# KiCad board SenseBarnacle.kicad_pcb
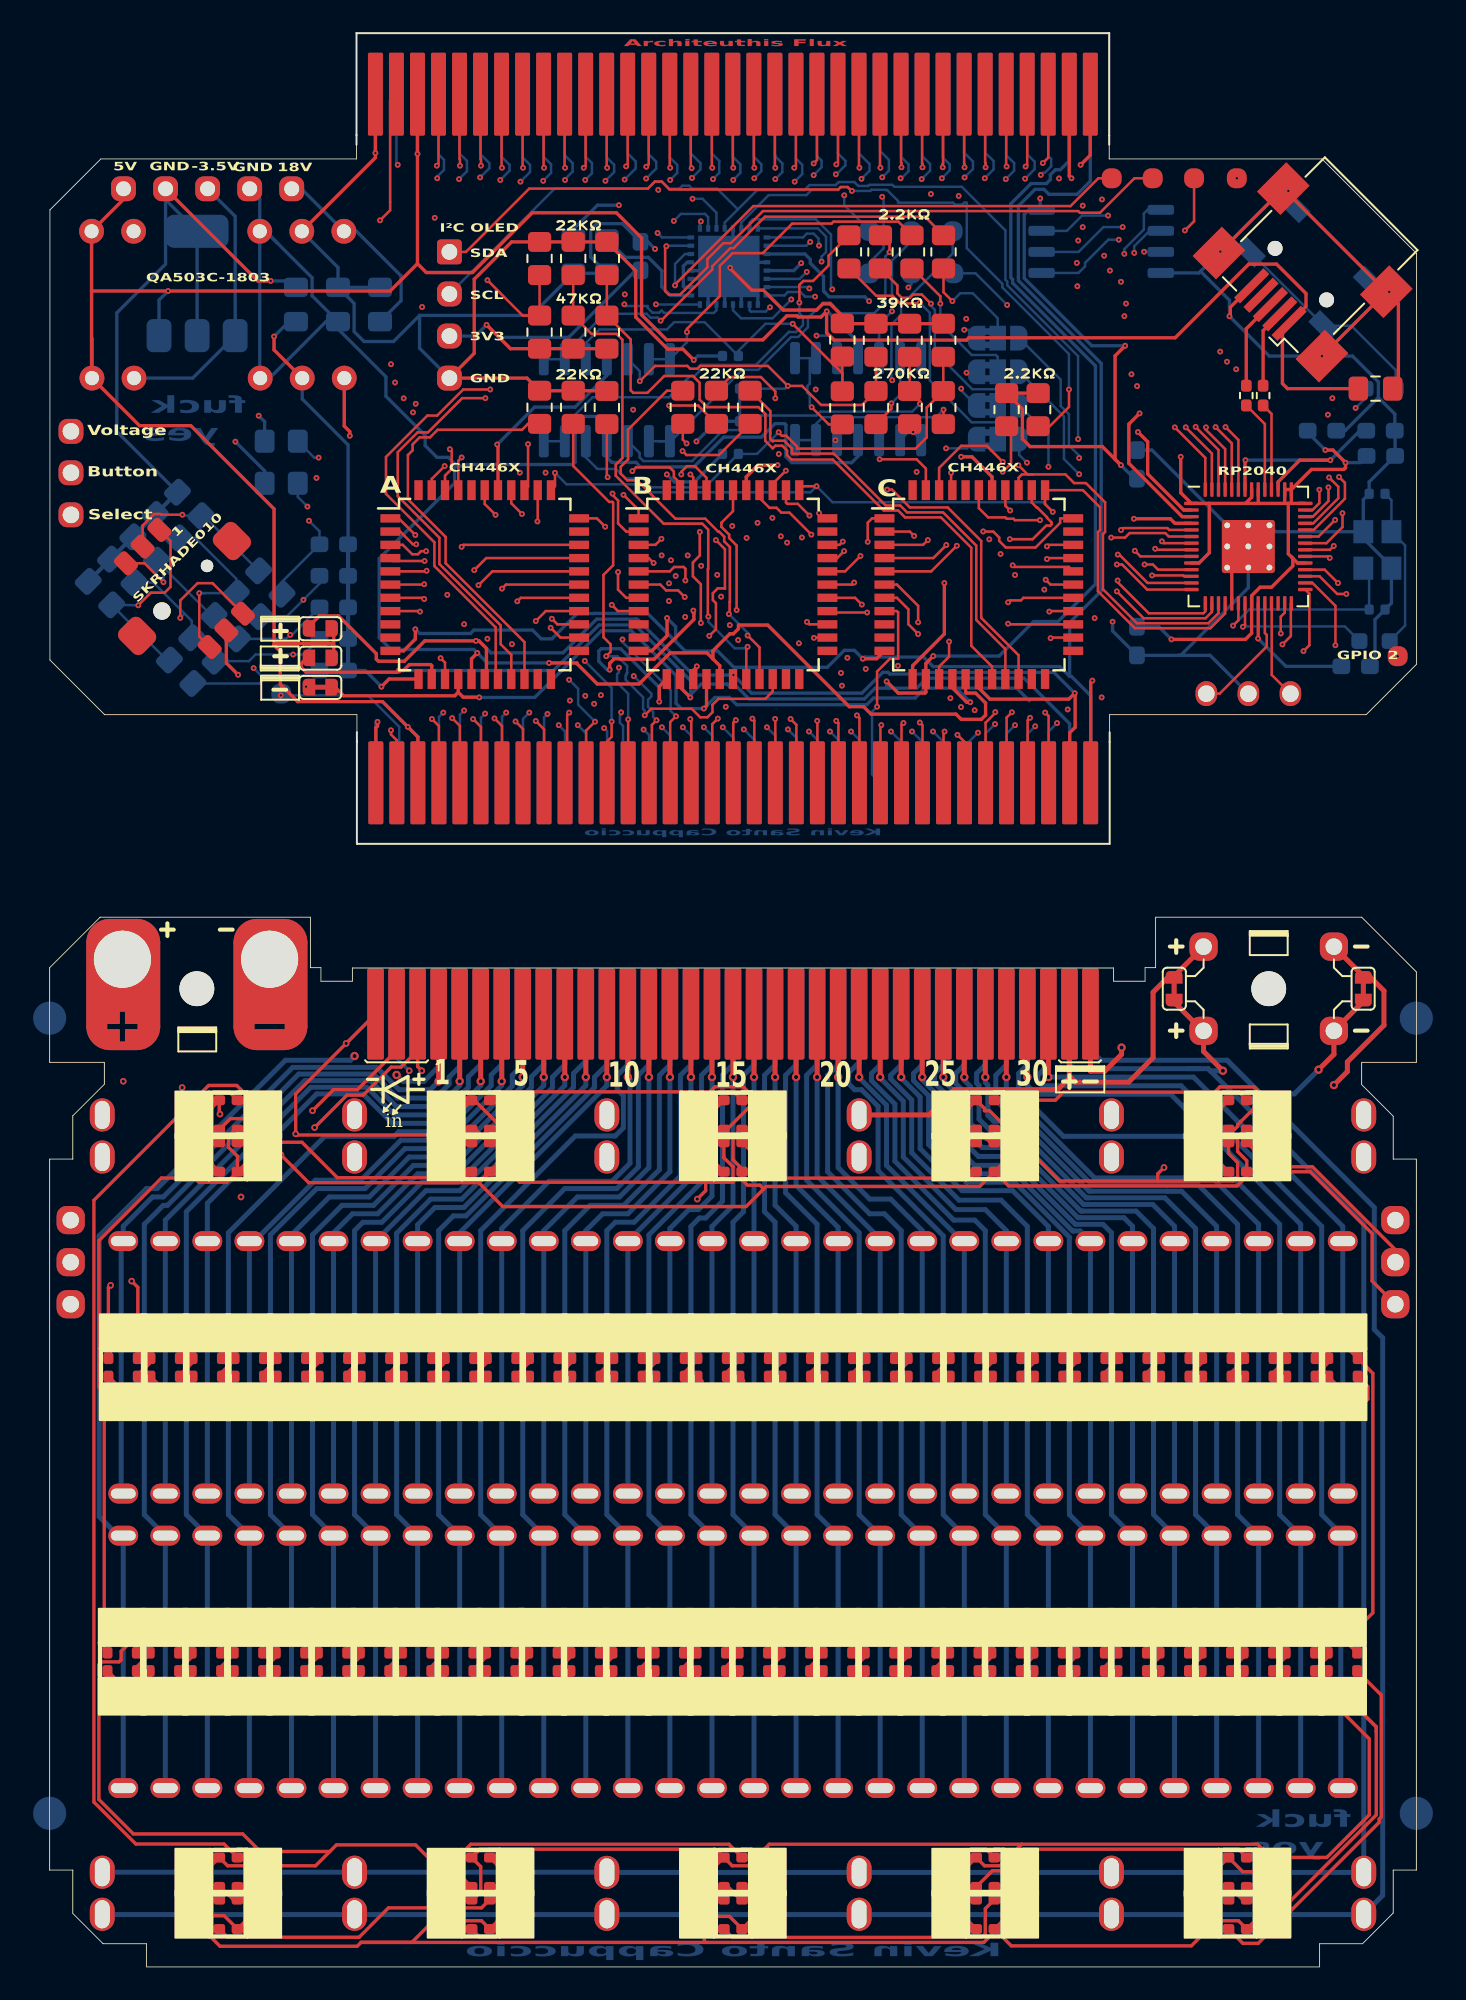
[diagram p0: board, top side]
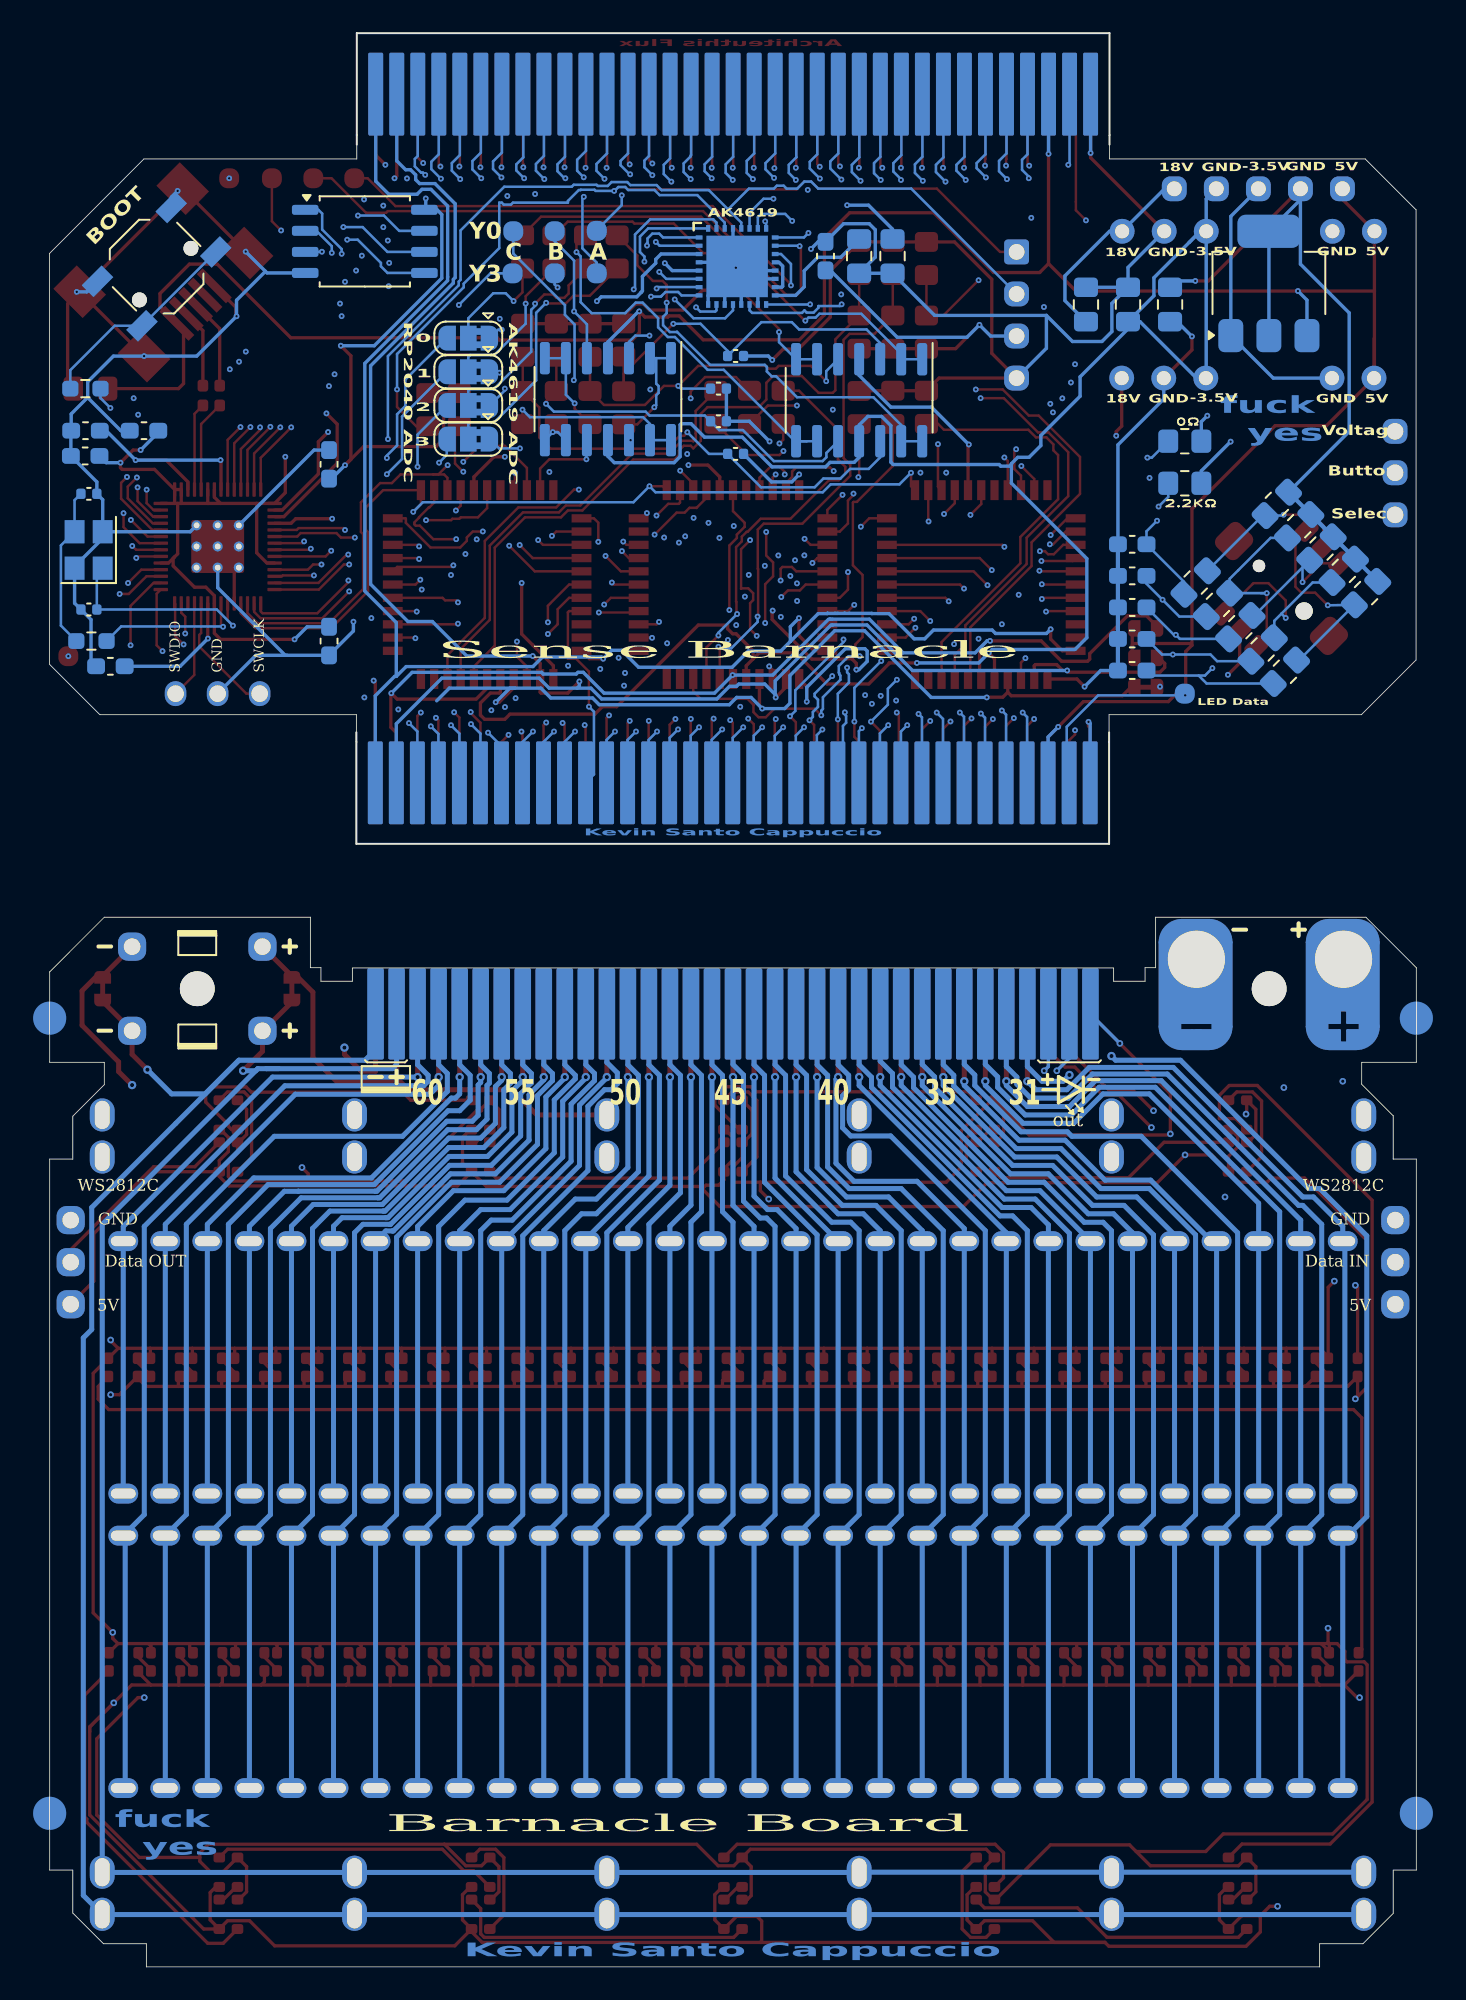
[diagram p1: board, bottom side, seen from below]

Outline 82.57 x 116.75 mm; copper layers: Top, In1.Cu, In2.Cu, Bottom. Coordinates in mm from the lower left corner of the outline.
Outline path: 16.38,60.32 15.75,60.32 15.75,63.37 3.05,63.37 0,60.32 0,54.61 3.3,54.61 3.3,53.29 1.4,51.38 1.4,48.77 0,48.77 0,5.84 1.4,5.84 1.4,3.23 3.23,1.4 5.84,1.4 5.84,0 76.71,0 76.71,1.4 79.3,1.4 81.15,3.25 81.15,5.84 82.55,5.84 82.55,48.77 81.15,48.77 81.15,51.36 79.25,53.26 79.25,54.61 82.55,54.61 82.55,60.07 79.25,63.37 66.8,63.37 66.8,60.32 66.17,60.32 ; 18.53,110.02 18.53,109.15 3.09,109.15 0.02,106.08 0.02,78.9 3.32,75.6 18.56,75.6 18.56,74.53 ; 64,110.02 64,109.15 76.85,109.15 82.57,103.44 82.57,78.65 79.52,75.6 64.02,75.6 64.02,74.53
Stack: Top 0.035mm / dielectric 0.1mm FR4 er 4.5 / In1.Cu 0.035mm / dielectric 1.24mm FR4 er 4.5 / In2.Cu 0.035mm / dielectric 0.1mm FR4 er 4.5 / Bottom 0.035mm

## Placement (name value [footprint] x y rotation side)
C1  10u  [C_0805_2012Metric_Pad1.18x1.45mm_HandSolder]  80.09 95.28 0 top
C2  10u  [C_0805_2012Metric_Pad1.18x1.45mm_HandSolder]  14.87 100.36 270 bottom
C3  1u  [C_0603_1608Metric_Pad1.08x0.95mm_HandSolder]  80.39 92.74 0 bottom
C4  1u  [C_0603_1608Metric_Pad1.08x0.95mm_HandSolder]  78.88 78.52 0 bottom
C5  1u  [C_0603_1608Metric_Pad1.08x0.95mm_HandSolder]  35.69 103.29 90 bottom
C6  27p  [C_0402_1005Metric]  80.18 81.95 0 bottom
C7  27p  [C_0402_1005Metric]  80.18 88.93 180 bottom
C8  10uF  [C_0805_2012Metric_Pad1.18x1.45mm_HandSolder]  19.95 100.36 90 bottom
C9  1u  [C_0603_1608Metric_Pad1.08x0.95mm_HandSolder]  76.85 92.74 0 bottom
C10  1u  [C_0603_1608Metric_Pad1.08x0.95mm_HandSolder]  80.41 91.22 0 bottom
C11  1u  [C_0603_1608Metric_Pad1.08x0.95mm_HandSolder]  65.67 80.04 270 bottom
C12  1u  [C_0603_1608Metric_Pad1.08x0.95mm_HandSolder]  65.67 90.71 90 bottom
C13  10uF  [C_0805_2012Metric_Pad1.18x1.45mm_HandSolder]  17.41 100.36 270 bottom
C14  27p  [C_0402_1005Metric]  41.12 97.25 180 bottom
C15  27p  [C_0402_1005Metric]  42.15 95.28 180 bottom
C16  27p  [C_0402_1005Metric]  42.15 93.31 180 bottom
C17  27p  [C_0402_1005Metric]  41.12 91.34 180 bottom
C18  0.1uF  [C_0603_1608Metric_Pad1.08x0.95mm_HandSolder]  17.16 78.27 0 bottom
C19  0.1uF  [C_0603_1608Metric_Pad1.08x0.95mm_HandSolder]  17.16 85.89 0 bottom
C20  0.1uF  [C_0603_1608Metric_Pad1.08x0.95mm_HandSolder]  17.16 82.08 0 bottom
C21  2.2uF  [C_0805_2012Metric_Pad1.18x1.45mm_HandSolder]  31.64 103.29 90 bottom
C22  2.2uF  [C_0805_2012Metric_Pad1.18x1.45mm_HandSolder]  33.66 103.29 90 bottom
C23  0.1uF  [C_0603_1608Metric_Pad1.08x0.95mm_HandSolder]  17.16 80.17 0 bottom
C25  0.1uF  [C_0603_1608Metric_Pad1.08x0.95mm_HandSolder]  17.16 83.98 0 bottom
D1  WS2812B  [LED_WS2812B-2020_PLCC4_2.0x2.0mm]  4.44 36.19 90 top
D2  WS2812B  [LED_WS2812B-2020_PLCC4_2.0x2.0mm]  6.98 36.19 90 top
D3  WS2812B  [LED_WS2812B-2020_PLCC4_2.0x2.0mm]  9.52 36.19 90 top
D4  WS2812B  [LED_WS2812B-2020_PLCC4_2.0x2.0mm]  12.06 36.19 90 top
D5  WS2812B  [LED_WS2812B-2020_PLCC4_2.0x2.0mm]  14.6 36.19 90 top
D6  WS2812B  [LED_WS2812B-2020_PLCC4_2.0x2.0mm]  17.14 36.19 90 top
D7  WS2812B  [LED_WS2812B-2020_PLCC4_2.0x2.0mm]  19.68 36.19 90 top
D8  WS2812B  [LED_WS2812B-2020_PLCC4_2.0x2.0mm]  22.22 36.19 90 top
D9  WS2812B  [LED_WS2812B-2020_PLCC4_2.0x2.0mm]  24.76 36.19 90 top
D10  WS2812B  [LED_WS2812B-2020_PLCC4_2.0x2.0mm]  27.3 36.19 90 top
D11  WS2812B  [LED_WS2812B-2020_PLCC4_2.0x2.0mm]  29.84 36.19 90 top
D12  WS2812B  [LED_WS2812B-2020_PLCC4_2.0x2.0mm]  32.39 36.19 90 top
D13  WS2812B  [LED_WS2812B-2020_PLCC4_2.0x2.0mm]  34.93 36.19 90 top
D14  WS2812B  [LED_WS2812B-2020_PLCC4_2.0x2.0mm]  37.47 36.19 90 top
D15  WS2812B  [LED_WS2812B-2020_PLCC4_2.0x2.0mm]  40.01 36.19 90 top
D16  WS2812B  [LED_WS2812B-2020_PLCC4_2.0x2.0mm]  42.55 36.19 90 top
D17  WS2812B  [LED_WS2812B-2020_PLCC4_2.0x2.0mm]  45.09 36.19 90 top
D18  WS2812B  [LED_WS2812B-2020_PLCC4_2.0x2.0mm]  47.63 36.19 90 top
D19  WS2812B  [LED_WS2812B-2020_PLCC4_2.0x2.0mm]  50.17 36.19 90 top
D20  WS2812B  [LED_WS2812B-2020_PLCC4_2.0x2.0mm]  52.71 36.19 90 top
D21  WS2812B  [LED_WS2812B-2020_PLCC4_2.0x2.0mm]  55.25 36.2 90 top
D22  WS2812B  [LED_WS2812B-2020_PLCC4_2.0x2.0mm]  57.8 36.2 90 top
D23  WS2812B  [LED_WS2812B-2020_PLCC4_2.0x2.0mm]  60.34 36.2 90 top
D24  WS2812B  [LED_WS2812B-2020_PLCC4_2.0x2.0mm]  62.88 36.2 90 top
D25  WS2812B  [LED_WS2812B-2020_PLCC4_2.0x2.0mm]  65.42 36.2 90 top
D26  WS2812B  [LED_WS2812B-2020_PLCC4_2.0x2.0mm]  67.96 36.2 90 top
D27  WS2812B  [LED_WS2812B-2020_PLCC4_2.0x2.0mm]  70.5 36.2 90 top
D28  WS2812B  [LED_WS2812B-2020_PLCC4_2.0x2.0mm]  73.04 36.2 90 top
D29  WS2812B  [LED_WS2812B-2020_PLCC4_2.0x2.0mm]  75.58 36.2 90 top
D30  WS2812B  [LED_WS2812B-2020_PLCC4_2.0x2.0mm]  78.12 36.2 90 top
D31  WS2812B  [LED_WS2812B-2020_PLCC4_2.0x2.0mm]  4.38 18.42 90 top
D32  WS2812B  [LED_WS2812B-2020_PLCC4_2.0x2.0mm]  6.93 18.42 90 top
D33  WS2812B  [LED_WS2812B-2020_PLCC4_2.0x2.0mm]  9.47 18.42 90 top
D34  WS2812B  [LED_WS2812B-2020_PLCC4_2.0x2.0mm]  12.01 18.42 90 top
D35  WS2812B  [LED_WS2812B-2020_PLCC4_2.0x2.0mm]  14.55 18.42 90 top
D36  WS2812B  [LED_WS2812B-2020_PLCC4_2.0x2.0mm]  17.09 18.42 90 top
D37  WS2812B  [LED_WS2812B-2020_PLCC4_2.0x2.0mm]  19.63 18.42 90 top
D38  WS2812B  [LED_WS2812B-2020_PLCC4_2.0x2.0mm]  22.17 18.42 90 top
D39  WS2812B  [LED_WS2812B-2020_PLCC4_2.0x2.0mm]  24.71 18.42 90 top
D40  WS2812B  [LED_WS2812B-2020_PLCC4_2.0x2.0mm]  27.25 18.42 90 top
D41  WS2812B  [LED_WS2812B-2020_PLCC4_2.0x2.0mm]  29.79 18.42 90 top
D42  WS2812B  [LED_WS2812B-2020_PLCC4_2.0x2.0mm]  32.34 18.41 90 top
D43  WS2812B  [LED_WS2812B-2020_PLCC4_2.0x2.0mm]  34.88 18.41 90 top
D44  WS2812B  [LED_WS2812B-2020_PLCC4_2.0x2.0mm]  37.42 18.41 90 top
D45  WS2812B  [LED_WS2812B-2020_PLCC4_2.0x2.0mm]  39.96 18.41 90 top
D46  WS2812B  [LED_WS2812B-2020_PLCC4_2.0x2.0mm]  42.5 18.41 90 top
D47  WS2812B  [LED_WS2812B-2020_PLCC4_2.0x2.0mm]  45.04 18.41 90 top
D48  WS2812B  [LED_WS2812B-2020_PLCC4_2.0x2.0mm]  47.58 18.41 90 top
D49  WS2812B  [LED_WS2812B-2020_PLCC4_2.0x2.0mm]  50.12 18.41 90 top
D50  WS2812B  [LED_WS2812B-2020_PLCC4_2.0x2.0mm]  52.67 18.41 90 top
D51  WS2812B  [LED_WS2812B-2020_PLCC4_2.0x2.0mm]  55.22 18.42 90 top
D52  WS2812B  [LED_WS2812B-2020_PLCC4_2.0x2.0mm]  57.77 18.42 90 top
D53  WS2812B  [LED_WS2812B-2020_PLCC4_2.0x2.0mm]  60.31 18.42 90 top
D54  WS2812B  [LED_WS2812B-2020_PLCC4_2.0x2.0mm]  62.85 18.42 90 top
D55  WS2812B  [LED_WS2812B-2020_PLCC4_2.0x2.0mm]  65.39 18.42 90 top
D56  WS2812B  [LED_WS2812B-2020_PLCC4_2.0x2.0mm]  67.93 18.42 90 top
D57  WS2812B  [LED_WS2812B-2020_PLCC4_2.0x2.0mm]  70.47 18.42 90 top
D58  WS2812B  [LED_WS2812B-2020_PLCC4_2.0x2.0mm]  73.01 18.42 90 top
D59  WS2812B  [LED_WS2812B-2020_PLCC4_2.0x2.0mm]  75.55 18.42 90 top
D60  WS2812B  [LED_WS2812B-2020_PLCC4_2.0x2.0mm]  78.09 18.42 90 top
D71  WS2812B  [LED_WS2812B-2020_PLCC4_2.0x2.0mm]  71.75 3.17 180 top
D72  WS2812B  [LED_WS2812B-2020_PLCC4_2.0x2.0mm]  71.75 5.72 180 top
D73  WS2812B  [LED_WS2812B-2020_PLCC4_2.0x2.0mm]  56.52 5.72 180 top
D74  WS2812B  [LED_WS2812B-2020_PLCC4_2.0x2.0mm]  56.52 3.17 180 top
D75  WS2812B  [LED_WS2812B-2020_PLCC4_2.0x2.0mm]  41.27 3.17 180 top
D76  WS2812B  [LED_WS2812B-2020_PLCC4_2.0x2.0mm]  41.27 5.72 180 top
D77  WS2812B  [LED_WS2812B-2020_PLCC4_2.0x2.0mm]  26.03 5.72 180 top
D78  WS2812B  [LED_WS2812B-2020_PLCC4_2.0x2.0mm]  26.03 3.17 180 top
D79  WS2812B  [LED_WS2812B-2020_PLCC4_2.0x2.0mm]  10.8 3.17 180 top
D80  WS2812B  [LED_WS2812B-2020_PLCC4_2.0x2.0mm]  10.79 5.72 180 top
D81  WS2812B  [LED_WS2812B-2020_PLCC4_2.0x2.0mm]  10.8 51.43 180 top
D82  WS2812B  [LED_WS2812B-2020_PLCC4_2.0x2.0mm]  10.8 48.89 180 top
D83  WS2812B  [LED_WS2812B-2020_PLCC4_2.0x2.0mm]  26.03 48.89 180 top
D84  WS2812B  [LED_WS2812B-2020_PLCC4_2.0x2.0mm]  26.03 51.43 180 top
D85  WS2812B  [LED_WS2812B-2020_PLCC4_2.0x2.0mm]  41.27 51.43 180 top
D86  WS2812B  [LED_WS2812B-2020_PLCC4_2.0x2.0mm]  41.27 48.89 180 top
D87  WS2812B  [LED_WS2812B-2020_PLCC4_2.0x2.0mm]  56.52 48.89 180 top
D88  WS2812B  [LED_WS2812B-2020_PLCC4_2.0x2.0mm]  56.52 51.43 180 top
D89  WS2812B  [LED_WS2812B-2020_PLCC4_2.0x2.0mm]  71.75 51.43 180 top
D90  WS2812B  [LED_WS2812B-2020_PLCC4_2.0x2.0mm]  71.75 48.89 180 top
J1  USB_B_Mini  [USB_Mini-B_Wuerth_65100516121_Horizontal]  75.57 102.2 135 top
J1#2  Conn_02x35_Top_Bottom  [HEE70LP03BK]  41.27 56.01 0 top
J2  Debug  [PinHeader_1x03_P2.54mm_Vertical]  69.87 76.87 270 bottom
J3  Power  [PinHeader_1x05_P2.54mm_Vertical]  4.46 107.35 270 bottom
J5  I2C_OLED_Display  [PinHeader_1x04_P2.54mm_Vertical]  24.15 103.54 0 top
J6  Conn_02x35_JumperluxCardEdge  [HEE70LP03BK_Daughter_Penis_Top]  41.27 110.52 0 top
J7  Conn_02x35_JumperluxCardEdge  [HEE70LP03BK_Daughter_Penis]  41.29 74.15 0 top
J11  Connector_Breadboard  [Breadboard_CustomClips_CorrectPins_1]  41.27 27.3 0 top
JP1  Power_From_Breadboard  [SolderJumper_2_Open_Small]  16.35 80.81 0 top
JP1#2  POS_TOP_BOTTOM  [SolderJumper_2_Bridged_Small]  67.92 59.05 90 top
JP2  NEG_TOP_BOTTOM  [SolderJumper_2_Bridged_Small]  79.35 59.05 270 top
JP2#2  SolderJumper_3_Bridged12  [SolderJumper-3_P1.3mm_Bridged2Bar12_RoundedPad1.0x1.5mm]  57.26 92.24 0 bottom
JP3  SolderJumper_3_Bridged12  [SolderJumper-3_P1.3mm_Bridged2Bar12_RoundedPad1.0x1.5mm]  57.26 94.27 0 bottom
JP4  SolderJumper_3_Bridged12  [SolderJumper-3_P1.3mm_Bridged2Bar12_RoundedPad1.0x1.5mm]  57.26 96.3 0 bottom
JP5  SolderJumper_3_Bridged12  [SolderJumper-3_P1.3mm_Bridged2Bar12_RoundedPad1.0x1.5mm]  57.26 98.33 0 bottom
JP6  Power_From_Breadboard  [SolderJumper_2_Open_Small]  16.35 79.04 0 top
JP7  SolderJumper_2_Bridged  [SolderJumper_2_Bridged_Small]  16.35 77.26 0 top
NOREF  -  [unnamed]  82.55 57.28 0 top
NOREF#2  -  [unnamed]  82.55 9.27 0 top
NOREF#3  -  [unnamed]  0 57.28 0 top
NOREF#4  -  [unnamed]  0 9.27 0 top
R1  22R  [R_0402_1005Metric_Pad0.72x0.64mm_HandSolder]  72.28 94.87 270 top
R2  22R  [R_0402_1005Metric_Pad0.72x0.64mm_HandSolder]  73.29 94.87 270 top
R3  22K  [R_0805_2012Metric_Pad1.20x1.40mm_HandSolder]  31.62 94.16 90 top
R4  1k  [R_0603_1608Metric_Pad0.98x0.95mm_HandSolder]  80.39 95.28 0 bottom
R5  47K  [R_0805_2012Metric_Pad1.20x1.40mm_HandSolder]  3.04 82.94 135 bottom
R6  10K  [R_0805_2012Metric_Pad1.20x1.40mm_HandSolder]  7.94 78.19 135 bottom
R7  1k  [R_0603_1608Metric_Pad0.98x0.95mm_HandSolder]  80.03 80.04 0 bottom
R8  47K  [R_0805_2012Metric_Pad1.20x1.40mm_HandSolder]  31.62 98.7 90 top
R9  22K  [R_0805_2012Metric_Pad1.20x1.40mm_HandSolder]  31.62 103.14 90 top
R10  270K  [R_0805_2012Metric_Pad1.20x1.40mm_HandSolder]  47.88 94.13 90 top
R11  39K  [R_0805_2012Metric_Pad1.20x1.40mm_HandSolder]  47.88 98.22 90 top
R12  270K  [R_0805_2012Metric_Pad1.20x1.40mm_HandSolder]  49.91 94.14 90 top
R13  39K  [R_0805_2012Metric_Pad1.20x1.40mm_HandSolder]  49.91 98.21 90 top
R14  270K  [R_0805_2012Metric_Pad1.20x1.40mm_HandSolder]  51.94 94.14 90 top
R15  39K  [R_0805_2012Metric_Pad1.20x1.40mm_HandSolder]  51.94 98.21 90 top
R16  270K  [R_0805_2012Metric_Pad1.20x1.40mm_HandSolder]  53.97 94.14 90 top
R17  39K  [R_0805_2012Metric_Pad1.20x1.40mm_HandSolder]  53.97 98.21 90 top
R18  47K  [R_0805_2012Metric_Pad1.20x1.40mm_HandSolder]  33.66 98.7 90 top
R19  22K  [R_0805_2012Metric_Pad1.20x1.40mm_HandSolder]  33.66 103.14 90 top
R20  47K  [R_0805_2012Metric_Pad1.20x1.40mm_HandSolder]  29.59 98.7 90 top
R21  22K  [R_0805_2012Metric_Pad1.20x1.40mm_HandSolder]  29.59 103.14 90 top
R22  22K  [R_0805_2012Metric_Pad1.20x1.40mm_HandSolder]  40.27 94.16 270 top
R23  22K  [R_0805_2012Metric_Pad1.20x1.40mm_HandSolder]  38.24 94.16 270 top
R24  22K  [R_0805_2012Metric_Pad1.20x1.40mm_HandSolder]  42.31 94.16 270 top
R25  22K  [R_0805_2012Metric_Pad1.20x1.40mm_HandSolder]  29.59 94.16 90 top
R26  22K  [R_0805_2012Metric_Pad1.20x1.40mm_HandSolder]  33.66 94.14 90 top
R27  2.2K  [R_0805_2012Metric_Pad1.20x1.40mm_HandSolder]  13.99 89.57 0 bottom
R28  0R  [R_0805_2012Metric_Pad1.20x1.40mm_HandSolder]  13.99 92.11 0 bottom
R29  47K  [R_0805_2012Metric_Pad1.20x1.40mm_HandSolder]  8.43 88.33 135 bottom
R30  10K  [R_0805_2012Metric_Pad1.20x1.40mm_HandSolder]  13.33 83.58 135 bottom
R31  47K  [R_0805_2012Metric_Pad1.20x1.40mm_HandSolder]  5.73 85.63 135 bottom
R32  10K  [R_0805_2012Metric_Pad1.20x1.40mm_HandSolder]  10.63 80.88 135 bottom
R33  47K  [R_0805_2012Metric_Pad1.20x1.40mm_HandSolder]  4.38 84.29 135 bottom
R34  10K  [R_0805_2012Metric_Pad1.20x1.40mm_HandSolder]  9.29 79.54 135 bottom
R35  2.2K  [R_0805_2012Metric_Pad1.20x1.40mm_HandSolder]  59.71 94.01 270 top
R36  2.2K  [R_0805_2012Metric_Pad1.20x1.40mm_HandSolder]  57.8 94.01 270 top
R37  47K  [R_0805_2012Metric_Pad1.20x1.40mm_HandSolder]  7.08 86.98 135 bottom
R38  10K  [R_0805_2012Metric_Pad1.20x1.40mm_HandSolder]  11.98 82.23 135 bottom
R39  2.2K  [R_0805_2012Metric_Pad1.20x1.40mm_HandSolder]  53.99 103.54 90 top
R40  2.2K  [R_0805_2012Metric_Pad1.20x1.40mm_HandSolder]  52.09 103.54 90 top
R41  2.2K  [R_0805_2012Metric_Pad1.20x1.40mm_HandSolder]  50.18 103.54 90 top
R42  2.2K  [R_0805_2012Metric_Pad1.20x1.40mm_HandSolder]  48.28 103.54 90 top
REF**  -  [MountingHole_2.7mm_M2.5]  73.63 59.05 0 top
REF**#2  -  [MountingHole_2.7mm_M2.5]  8.89 59.05 0 top
SW1  USB BOOT  [SW_SPST_TL3342]  76.09 102.65 135 bottom
TP1  AOUT2R  [TestPoint_D0.75mm]  71.71 107.98 270 top
TP2  AOUT2L  [TestPoint_D0.75mm]  69.13 107.98 270 top
TP3  AOUT1R  [TestPoint_D0.75mm]  66.63 107.98 270 top
TP4  AOUT1L  [TestPoint_D0.75mm]  64.15 107.98 270 top
TP5  Y3_A  [TestPoint_D0.75mm]  49.51 102.25 0 bottom
TP6  Select_Probe  [PINHEADER-1x1_vertical]  1.29 87.66 90 top
TP7  Button_Probe  [PINHEADER-1x1_vertical]  1.29 90.2 90 top
TP10  Y0_A  [TestPoint_D0.75mm]  49.5 104.81 0 bottom
TP11  Y0_B  [TestPoint_D0.75mm]  52.05 104.79 0 bottom
TP12  Y0_C  [TestPoint_D0.75mm]  54.55 104.79 0 bottom
TP13  Voltage_Probe  [PINHEADER-1x1_vertical]  1.29 92.7 90 top
TP14  Y3_B  [TestPoint_D0.75mm]  52.05 102.25 0 bottom
TP15  LED DOUT  [PinHeader_1x01_P2.54mm_Vertical_Rounded]  81.28 42.55 0 top
TP15#2  Y3_C  [TestPoint_D0.75mm]  54.59 102.25 0 bottom
TP16  LED DIN  [PinHeader_1x01_P2.54mm_Vertical_Rounded]  1.27 42.55 0 top
TP16#2  GPIO_2  [TestPoint_D0.75mm]  81.42 79.13 90 top
TP20  LED GND  [PinHeader_1x01_P2.54mm_Vertical_Rounded]  1.27 45.08 0 top
TP21  LED 5V  [PinHeader_1x01_P2.54mm_Vertical_Rounded]  1.27 40 0 top
TP21#2  LED_IN  [TestPoint_D0.75mm]  13.99 76.87 270 bottom
TP22  LED 5V  [PinHeader_1x01_P2.54mm_Vertical_Rounded]  81.28 40 0 top
TP23  LED GND  [PinHeader_1x01_P2.54mm_Vertical_Rounded]  81.28 45.08 0 top
TP24  TOP_POS_RAIL  [Pad_Clip_Banana_PlusSmaller]  4.4 60.83 0 top
TP25  TOP_POS_RAIL  [PinHeader_1x01_P2.54mm_Vertical_Rounded]  69.7 61.59 90 top
TP26  TOP_NEG_RAIL  [Pad_Clip_Banana_Minus]  13.29 60.83 0 top
TP27  TOP_NEG_RAIL  [PinHeader_1x01_P2.54mm_Vertical_Rounded]  77.57 61.59 90 top
TP29  BOTTOM_POS_RAIL  [PinHeader_1x01_P2.54mm_Vertical_Rounded]  69.7 56.52 90 top
TP31  BOTTOM_NEG_RAIL  [PinHeader_1x01_P2.54mm_Vertical_Rounded]  77.57 56.52 90 top
U1  LM324  [SOIC-14_3.9x8.7mm_P1.27mm]  48.83 94.65 270 bottom
U2  LM324  [SOIC-14_3.9x8.7mm_P1.27mm]  33.66 94.58 270 bottom
U3  NCP1117-3.3_SOT223  [SOT-223-3_TabPin2]  8.91 101.63 90 bottom
U4  SKRHAD010  [Directional_Switch_SKRHADE010]  8.14 83.22 0 top
U5  -  [QA503C]  10.15 104.78 0 top
U6  AK4619VN  [AK4619VN_AKM]  41.02 102.66 180 bottom
U8  W25Q128JVS  [SOIC-8_5.23x5.23mm_P1.27mm]  63.52 104.17 180 bottom
U9  RP2040  [RP2040-QFN-56]  72.4 85.75 0 top
U12  -  [QA503C]  10.18 95.92 0 top
U13  CH446X  [LQFP44_Tight]  26.69 83.85 0 top
U14  CH446X  [LQFP44_Tight]  41.68 83.85 0 top
U15  CH446X  [LQFP44_Tight]  56.53 83.85 0 top
Y1  ABLS-12.000MHZ-B4-T  [Crystal_SMD_3225-4Pin_3.2x2.5mm]  80.2 85.54 90 bottom

## Library data of the parts
C1-C23 C25 = -: ki_fp_filters: C_*
D1-D60 D71-D90 = -: Datasheet: https://cdn-shop.adafruit.com/datasheets/WS2812B.pdf
J1 = -: ki_fp_filters: USB*
J2 = -: ki_fp_filters: Connector*:*_1x??_*
J3 = -: Description: Generic connector, single row, 01x05, script generated; ki_fp_filters: Connector*:*_1x??_*
J5 = -: Description: Generic connector, single row, 01x04, script generated; ki_fp_filters: Connector*:*_1x??_*
J6 J7 = -: ki_fp_filters: Connector*:*_2x??_*
JP1 JP6 = -: Description: Jumper, 2-pole, open; ki_fp_filters: Jumper* TestPoint*2Pads* TestPoint*Bridge*
JP2#2 JP3-JP5 = -: Description: 3-pole Solder Jumper, pins 1+2 closed/bridged; ki_fp_filters: SolderJumper*Bridged12*
JP7 = -: Description: Solder Jumper, 2-pole, closed/bridged; ki_fp_filters: SolderJumper*Bridged*
R1 R2 R4 R7 R10-R17 R27 R28 = -: ki_fp_filters: R_*
R3 R5 R6 R8 R9 R18-R26 R29-R42 = -: Description: Resistor, small US symbol; ki_fp_filters: R_*
TP1-TP7 TP10-TP14 TP15#2 TP16#2 TP21#2 = -: Description: test point; ki_fp_filters: Pin* Test*
U1 U2 = -: Datasheet: http://www.ti.com/lit/ds/symlink/lm2902-n.pdf; Description: Low-Power, Quad-Operational Amplifiers, DIP-14/SOIC-14/SSOP-14; ki_fp_filters: SOIC*3.9x8.7mm*P1.27mm* DIP*W7.62mm* TSSOP*4.4x5mm*P0.65mm* SSOP*5.3x6.2mm*P0.65mm* MSOP*3x3mm*P0.5mm*
U3 = -: Datasheet: http://www.onsemi.com/pub_link/Collateral/NCP1117-D.PDF; ki_fp_filters: SOT?223*TabPin2*
U4 = -: Field4: 5V; Field5: GND; Field6: Rx; Field7: Tx
U6 = -: ki_fp_filters: AK4619VN_AKM AK4619VN_AKM-M AK4619VN_AKM-L
U8 = -: ki_fp_filters: SOIC*5.23x5.23mm*P1.27mm*
Y1 = -: ki_fp_filters: Crystal*

## Footprints (pads in the part's own frame, mm; a bottom-side part is the same pattern mirrored in y, then rotated)
AK4619VN_AKM
  rect 0.406x0.254 smd: 1(-2.297,1.75) 2(-2.297,1.25) 3(-2.297,0.75) 4(-2.297,0.25) 5(-2.297,-0.25) 6(-2.297,-0.75) 7(-2.297,-1.25) 8(-2.297,-1.75) 17(2.297,-1.75) 18(2.297,-1.25) 19(2.297,-0.75) 20(2.297,-0.25) 21(2.297,0.25) 22(2.297,0.75) 23(2.297,1.25) 24(2.297,1.75)
  rect 0.254x0.406 smd: 9(-1.75,-2.297) 10(-1.25,-2.297) 11(-0.75,-2.297) 12(-0.25,-2.297) 13(0.25,-2.297) 14(0.75,-2.297) 15(1.25,-2.297) 16(1.75,-2.297) 25(1.75,2.297) 26(1.25,2.297) 27(0.75,2.297) 28(0.25,2.297) 29(-0.25,2.297) 30(-0.75,2.297) 31(-1.25,2.297) 32(-1.75,2.297)
  rect 3.708x3.708 smd: 33(0,0)
Breadboard_CustomClips_CorrectPins_1
  oval 1.8x1.2 hole 1.5x0.6: 1(-36.83,16.51) 1(-36.83,1.27) 2(-34.29,16.51) 2(-34.29,1.27) 3(-31.75,16.51) 3(-31.75,1.27) 4(-29.21,16.51) 4(-29.21,1.27) 5(-26.67,16.51) 5(-26.67,1.27) 6(-24.13,16.51) 6(-24.13,1.27) 7(-21.59,16.51) 7(-21.59,1.27) 8(-19.05,16.51) 8(-19.05,1.27) 9(-16.51,16.51) 9(-16.51,1.27) 10(-13.97,16.51) 10(-13.97,1.27) 11(-11.43,16.51) 11(-11.43,1.27) 12(-8.89,16.51) 12(-8.89,1.27) 13(-6.35,16.51) 13(-6.35,1.27) 14(-3.81,16.51) 14(-3.81,1.27) 15(-1.27,16.51) 15(-1.27,1.27) 16(1.27,16.51) 16(1.27,1.27) 17(3.81,16.51) 17(3.81,1.27) 18(6.35,16.51) 18(6.35,1.27) 19(8.89,16.51) 19(8.89,1.27) 20(11.43,16.51) 20(11.43,1.27) 21(13.97,16.51) 21(13.97,1.27) 22(16.51,16.51) 22(16.51,1.27) 23(19.05,16.51) 23(19.05,1.27) 24(21.59,16.51) 24(21.59,1.27) 25(24.13,16.51) 25(24.13,1.27) 26(26.67,16.51) 26(26.67,1.27) 27(29.21,16.51) 27(29.21,1.27) 28(31.75,16.51) 28(31.75,1.27) 29(34.29,16.51) 29(34.29,1.27) 30(36.83,16.51) 30(36.83,1.27) 31(-36.83,-1.27) 31(-36.83,-16.51) 32(-34.29,-1.27) 32(-34.29,-16.51) 33(-31.75,-1.27) 33(-31.75,-16.51) 34(-29.21,-1.27) 34(-29.21,-16.51) 35(-26.67,-1.27) 35(-26.67,-16.51) 36(-24.13,-1.27) 36(-24.13,-16.51) 37(-21.59,-1.27) 37(-21.59,-16.51) 38(-19.05,-1.27) 38(-19.05,-16.51) 39(-16.51,-1.27) 39(-16.51,-16.51) 40(-13.97,-1.27) 40(-13.97,-16.51) 41(-11.43,-1.27) 41(-11.43,-16.51) 42(-8.89,-1.27) 42(-8.89,-16.51) 43(-6.35,-1.27) 43(-6.35,-16.51) 44(-3.81,-1.27) 44(-3.81,-16.51) 45(-1.27,-1.27) 45(-1.27,-16.51) 46(1.27,-1.27) 46(1.27,-16.51) 47(3.81,-1.27) 47(3.81,-16.51) 48(6.35,-1.27) 48(6.35,-16.51) 49(8.89,-1.27) 49(8.89,-16.51) 50(11.43,-1.27) 50(11.43,-16.51) 51(13.97,-1.27) 51(13.97,-16.51) 52(16.51,-1.27) 52(16.51,-16.51) 53(19.05,-1.27) 53(19.05,-16.51) 54(21.59,-1.27) 54(21.59,-16.51) 55(24.13,-1.27) 55(24.13,-16.51) 56(26.67,-1.27) 56(26.67,-16.51) 57(29.21,-1.27) 57(29.21,-16.51) 58(31.75,-1.27) 58(31.75,-16.51) 59(34.29,-1.27) 59(34.29,-16.51) 60(36.83,-1.27) 60(36.83,-16.51)
  oval 1.5x2 hole 0.9x1.7: 61(-38.1,24.13) 61(-22.86,24.13) 61(-7.62,24.13) 61(7.62,24.13) 61(22.86,24.13) 61(38.1,24.13) 62(-38.1,21.59) 62(-22.86,21.59) 62(-7.62,21.59) 62(7.62,21.59) 62(22.86,21.59) 62(38.1,21.59) 63(-38.1,-21.59) 63(-22.86,-21.59) 63(-7.62,-21.603) 63(7.62,-21.59) 63(22.86,-21.59) 63(38.1,-21.59) 64(-38.1,-24.13) 64(-22.86,-24.13) 64(-7.62,-24.13) 64(7.62,-24.13) 64(22.86,-24.13) 64(38.1,-24.13)
C_0402_1005Metric
  rrect 0.56x0.62 smd: 1(-0.48,0) 2(0.48,0)
C_0603_1608Metric_Pad1.08x0.95mm_HandSolder
  rrect 1.075x0.95 smd: 1(-0.863,0) 2(0.863,0)
C_0805_2012Metric_Pad1.18x1.45mm_HandSolder
  rrect 1.175x1.45 smd: 1(-1.038,0) 2(1.038,0)
Crystal_SMD_3225-4Pin_3.2x2.5mm
  rect 1.4x1.2 smd: 1(-1.1,-0.85) 2(1.1,-0.85) 3(1.1,0.85) 4(-1.1,0.85)
Directional_Switch_SKRHADE010
  rrect 2x1.8 smd rot 135: (-2.864,-2.864) (2.864,2.864)
  round 1.05 hole 1.05 unplated: (-1.361,-1.361)
  round 0.75 hole 0.75 unplated: (1.361,1.361)